# Altium PCB BEAGLEPLAYV020_220915.brd.PcbDoc (part 12 of 12) (continued)
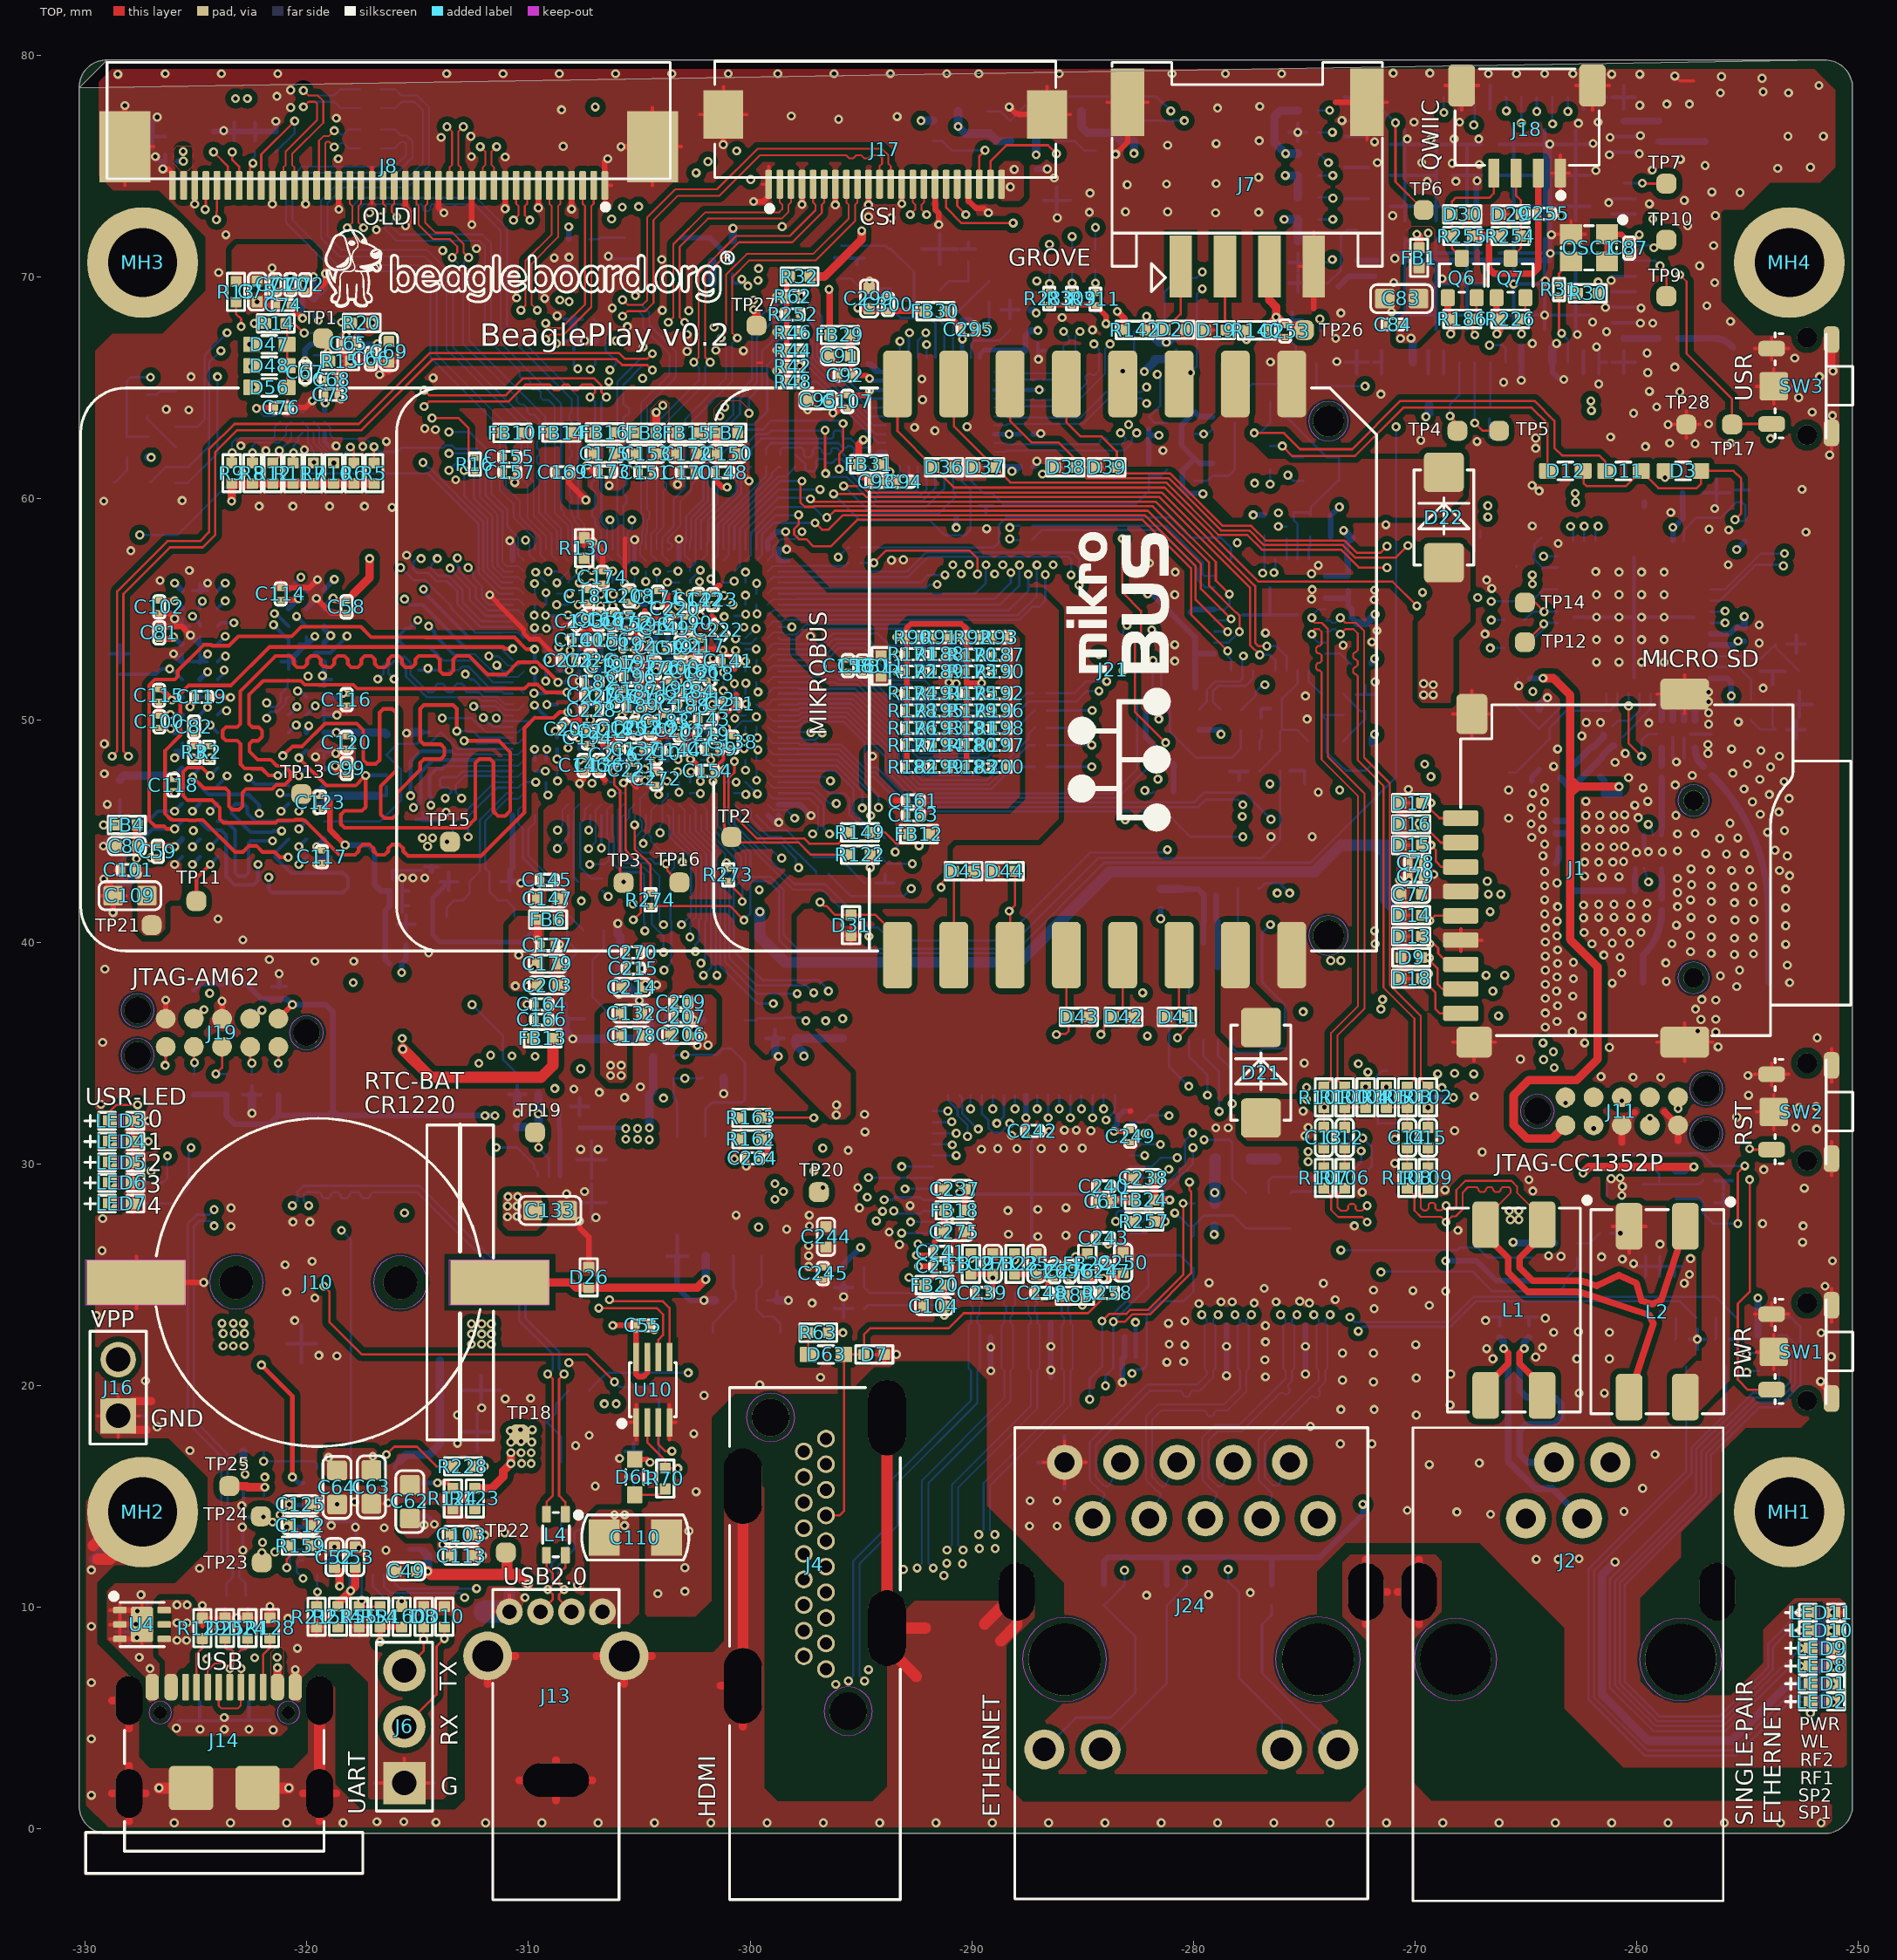
[diagram p0: TOP view]
## Keep-outs (continued)
  region: -257.556,75.489 -256.286,75.489 -256.286,76.759 -257.556,76.759
  region: -261.092,76.709 -260.088,76.709 -260.088,77.363 -261.092,77.363
  region: -261.092,66.909 -260.088,66.909 -260.088,67.563 -261.092,67.563
  region: -261.305,14 -261.344,14.302 -261.461,14.583 -261.646,14.824 -261.887,15.009 -262.168,15.125 -262.469,15.165 -262.77,15.125 -263.051,15.009 -263.292,14.824 -263.477,14.583 -263.593,14.302 -263.633,14 -263.593,13.699 -263.477,13.418 -263.292,13.177 -263.051,12.992 -262.77,12.876 -262.469,12.836 -262.168,12.876 -261.887,12.992 -261.646,13.177 -261.461,13.418 -261.344,13.699 -261.305,14
  region: -254.818,37.44 -253.294,37.44 -253.294,38.964 -254.818,38.964
  region: -256.311,66.193 -255.041,66.193 -255.041,67.463 -256.311,67.463
  region: -262.575,16.54 -262.614,16.842 -262.731,17.123 -262.916,17.364 -263.157,17.549 -263.438,17.665 -263.739,17.705 -264.04,17.665 -264.321,17.549 -264.562,17.364 -264.747,17.123 -264.863,16.842 -264.903,16.54 -264.863,16.239 -264.747,15.958 -264.562,15.717 -264.321,15.532 -264.04,15.416 -263.739,15.376 -263.438,15.416 -263.157,15.532 -262.916,15.717 -262.731,15.958 -262.614,16.239 -262.575,16.54
  region: -260.491,37.44 -258.967,37.44 -258.967,38.964 -260.491,38.964

## Other copper
LYR2_GND:
  region net GND: 194 vertices and 879 holes, not listed, extent -329.54,1.346 -250.546,79.375

## Silkscreen, mask and mechanical layers (free items; w line width, h text height)
Top Overlay:
  drawing of 68322 lines, arcs and shapes, not listed
  text "QWIIC" at -268.935,74.803 h0.76 r90
  text "OLDI" at -317.5,72.365 h0.76
  text "CSI" at -295.072,72.365 h0.76
  text "GROVE" at -288.341,70.51 h0.76
  text "BeaglePlay v0.2" at -312.191,66.878 h1.02
  text "USR" at -254.813,64.389 h0.76 r90
  text "MICRO SD" at -259.791,52.4 h0.76
  text "MIKROBUS" at -296.545,49.327 h0.76 r90
  text "JTAG-AM62" at -327.889,38.049 h0.76
  text "RTC-BAT" at -317.398,33.376 h0.76
  text "USR-LED" at -329.997,32.664 h0.76
  text "CR1220" at -317.398,32.283 h0.76
  text "0" at -327.152,31.648 h0.76
  text "RST" at -254.813,30.785 h0.76 r90
  text "1" at -327.152,30.632 h0.76
  text "2" at -327.177,29.667 h0.76
  text "JTAG-CC1352P" at -266.395,29.667 h0.76
  text "3" at -327.228,28.702 h0.76
  text "4" at -327.203,27.737 h0.76
  text "VPP" at -329.743,22.631 h0.76
  text "PWR" at -254.838,20.295 h0.76 r90
  text "GND" at -327.05,18.136 h0.76
  text "USB2.0" at -311.15,11.024 h0.76
  text "USB" at -325.018,7.188 h0.76
  text "TX" at -313.243,6.239 h0.76 r90
  text "PWR" at -252.679,4.445 h0.58
  text "RX" at -313.188,3.735 h0.76 r90
  text "WL" at -252.603,3.658 h0.58
  text "RF2" at -252.654,2.845 h0.58
  text "RF1" at -252.654,2.007 h0.58
  text "G" at -313.953,1.565 h0.76
  text "SP2" at -252.73,1.219 h0.58
  text "UART" at -317.373,0.66 h0.76 r90
  text "ETHERNET" at -288.747,0.533 h0.76 r90
  text "HDMI" at -301.574,0.508 h0.76 r90
  text "SP1" at -252.73,0.457 h0.58
  text "ETHERNET" at -253.517,0.203 h0.76 r90
  text "SINGLE-PAIR" at -254.762,0.152 h0.76 r90
Bottom Overlay:
  text "ANT2" at -253.632,78.588 h0.76
  text "ANT1" at -253.936,62.611 h0.76
  text "2.4G" at -252.908,33.96 h0.76
  text "SUBG" at -258.115,33.909 h0.76
Bottom Solder:
  lines w1.016: -260.231,40.462 -268.326,40.462 -268.326,61.747 -251.553,61.747 -251.553,40.462 -253.121,40.462 ; -257.245,40.462 -255.692,40.462
OUTLINE:
  drawing of 5302 lines, arcs and shapes, not listed
  text "1" at -364.265,361.972 h5.71
  text "2" at -259.265,361.972 h5.71
  text "3" at -154.265,361.972 h5.71
  text "4" at -49.265,361.972 h5.71
  text "5" at 55.735,361.972 h5.71
  text "6" at 160.735,361.972 h5.71
  text "7" at 265.735,361.972 h5.71
  text "8" at 370.735,361.972 h5.71
  text "REVISIONS" at 291.135,350.972 h5.71
  text "REV" at 219.643,343.242 h2.03
  text "ACTION" at 239.081,343.029 h2.03
  text "DATE" at 347.231,343.029 h2.03
  text "AUTH" at 387.231,343.029 h2.03
  text "LAYERS LAMINATION & IMPENDANCE  CONTROL" at -313.242,322.116 h5.71
  text "IMPEDANCE" at -155.466,313.437 h2.03
  text "SINGLE 50ohm+/-10%" at -165.651,308.631 h2.03
  text "DIFFERENCE 90ohm-/+10%" at -58.031,308.529 h2.03
  text "DIFFERENCE 100ohm-/+10%" at -5.2,308.529 h2.03
  text "SINGLE 40ohm+/-10%" at -215.13,308.504 h2.03
  text "DIFFERENCE 80ohm-/+10%" at -112.87,308.377 h2.03
  text "LAYERS STACKUP" at -360.877,308.173 h2.03
  text "LAYER" at -309.572,308.173 h2.03
  text "MATERIAL" at -293.007,308.173 h2.03
  text "THICKNESS" at -273.152,308.173 h2.03
  text "LAYER TYPE" at -249.655,308.173 h2.03
  text "Line width(mil)" at -162.145,303.631 h2.03
  text "Line width/Space(mil)" at -57.863,303.529 h2.03
  text "Line width/Space(mil)" at -2.863,303.529 h2.03
  text "Line width(mil)" at -211.625,303.504 h2.03
  text "Line width/Space(mil)" at -112.702,303.377 h2.03
  text "W:4" at -156.073,297.541 h2.03
  text "W:4.1/S:7" at -48.998,297.443 h2.03
  text "W:6.6" at -205.552,297.414 h2.03
  text "W:3.3/S:8" at 5.526,297.396 h2.03
  text "W:4.3/S:4" at -103.836,297.29 h2.03
  text "COPPER" at -289.968,296.173 h2.03
  text "ROUTING" at -246.988,296.173 h2.03
  text "1 OZ" at -270.159,296.072 h2.03
  text "TOP" at -351.282,295.173 h2.03
  text "TOP" at -309.282,295.173 h2.03
  text "W:12/S:8 ref:L3" at 5.537,294.234 h2.03
  text "D" at -414.265,291.972 h5.71
  text "D" at 415.735,291.972 h5.71
  text "FR4" at -287.301,288.173 h2.03
  text "PREPREG" at -314.129,287.437 h2.03
  text "3mil" at -271.92,287.293 h2.03
  text "PREPREG" at -355.862,287.173 h2.03
  text "COPPER" at -289.968,280.233 h2.03
  text "PLANE" at -245.21,280.173 h2.03
  text "1 OZ" at -270.159,279.741 h2.03
  text "L2 INNER" at -315.297,279.437 h2.03
  text "L2 INNER" at -357.007,279.173 h2.03
  text "FR4" at -287.301,272.233 h2.03
  text "PREPREG" at -314.129,271.437 h2.03
  text "3mil" at -271.92,271.293 h2.03
  text "PREPREG" at -355.862,271.173 h2.03
  text "ROUTING" at -247.574,264.82 h2.03
  text "W:3/S:7.3" at 1.68,264.664 h2.03
  text "W:4.3/S:4.4" at -109.423,264.592 h2.03
  text "0.5 OZ" at -270.159,264.374 h2.03
  text "W:3.6/S:5.7" at -54.712,264.363 h2.03
  text "COPPER" at -289.968,264.233 h2.03
  text "W:3.8" at -158.841,264.073 h2.03
  text "W:6" at -203.266,263.666 h2.03
  text "L3 INNER" at -315.297,263.437 h2.03
  text "L3 INNER" at -357.007,263.173 h2.03
  text "NOTE" at 214.135,258.089 h5.71
  text "FR4" at -287.301,256.233 h2.03
  text "PREPREG" at -314.129,255.437 h2.03
  text "17.72mil" at -270.752,255.293 h2.03
  text "PREPREG" at -355.862,255.172 h2.03
  text "PLANE" at -244.602,248.768 h2.03
  text "COPPER" at -289.968,248.233 h2.03
  text "1 OZ" at -270.159,248.016 h2.03
  text "L4 INNER" at -315.297,247.437 h2.03
  text "L4 INNER" at -357.007,247.172 h2.03
  text "1. ACCEPTABILITY:" at 214.066,245.029 h2.03
  text "FR4" at -287.301,240.05 h2.03
  text "PRINTED WIRING BOARD SHALL MEET THE REQUIREMENTS OF IPC- 6012C CLASS 2." at 223.384,240.028 h2.03
  text "4mil" at -270.667,239.629 h2.03
  text "PREPREG" at -314.129,239.437 h2.03
  text "PREPREG" at -355.862,239.172 h2.03
  text "1 OZ" at -270.159,232.116 h2.03
  text "COPPER" at -289.968,231.726 h2.03
  text "PLANE" at -244.932,231.546 h2.03
  text "L5 INNER" at -315.297,231.437 h2.03
  text "L5 INNER" at -357.007,231.173 h2.03
  text "2. MATERIAL:" at 214.066,230.028 h2.03
  text "GLASS EPOXY FR-4 FIRE RETARDANT AND UL 94V-0 RATING MATERIAL SHOULD MEET" at 223.384,225.029 h2.03
  text "FR4" at -287.301,224.353 h2.03
  text "17.72mil" at -270.159,224.285 h2.03
  text "PREPREG" at -314.129,223.437 h2.03
  text "PREPREG" at -355.862,223.173 h2.03
  text "IPC-4101C" at 223.384,220.029 h2.03
  text "ROUTING" at -246.101,216.484 h2.03
  text "0.5 OZ" at -270.583,216.293 h2.03
  text "W:3/S:7.3" at 3.962,216.002 h2.03
  text "W:3.8" at -158.826,215.976 h2.03
  text "W:4.3/S:4.4" at -111.277,215.9 h2.03
  text "COPPER" at -289.968,215.79 h2.03
  text "L6 INNER" at -315.297,215.437 h2.03
  text "W:6" at -201.524,215.29 h2.03
  text "W:3.6/S:5.7" at -56.794,215.24 h2.03
  text "L6 INNER" at -357.007,215.173 h2.03
  text "3. FABRICATION REQUIREMENTS:" at 214.066,210.029 h2.03
  text "FR4" at -287.301,207.941 h2.03
  text "3mil" at -270.159,207.938 h2.03
  text "PREPREG" at -314.129,207.437 h2.03
  text "PREPREG" at -355.862,207.173 h2.03
  text "A). FAB TO MEET THE REQUIREMENTS PER IPC-A-600, CLASS 2" at 223.384,205.029 h2.03
  text "COPPER" at -289.968,200.332 h2.03
  text "PLANE" at -245.21,200.093 h2.03
  text "B). ALL ARTWORK OR ELECTRONIC DATA MAY BE ADJUSTED BY THE BOARD" at 223.384,200.029 h2.03
  text "1 OZ" at -270.159,199.604 h2.03
  text "L7 INNER" at -315.297,199.437 h2.03
  text "L7 INNER" at -357.007,199.173 h2.03
  text "MANUFACTURER TO COMPENSATE FOR MANUFACTURING PROCESS TOLERANCES," at 232.384,195.029 h2.03
  text "FR4" at -287.301,191.769 h2.03
  text "PREPREG" at -314.129,191.437 h2.03
  text "3mil" at -270.752,191.293 h2.03
  text "PREPREG" at -355.862,191.173 h2.03
  text "ADDITION OF FILLETS TEARDROPS AT LINE / PAD INTERFACE IS PREFERRED." at 232.384,190.029 h2.03
  text "W:3.3/S:8" at 5.185,185.787 h2.03
  text "W:4" at -158.587,185.486 h2.03
  text "W:6.6" at -204.028,185.46 h2.03
  text "THIEVING IS ALLOWED TO COMPENSATE FOR HIGH COPPER DENSITY AREAS" at 232.384,185.029 h2.03
  text "W:4.3/S:4" at -99.557,184.86 h2.03
  text "W:4.1/S:7" at -50.001,184.683 h2.03
  text "COPPER" at -289.968,184.398 h2.03
  text "1 OZ" at -270.159,184.415 h2.03
  text "ROUTING" at -246.988,183.445 h2.03
  text "L8 BOTTOM" at -357.378,183.058 h2.03
  text "L8 BOTTOM" at -315.788,182.893 h2.03
  text "W:12 ref:L6" at -158.471,182.423 h2.03
  text "W:12/S:8 ref L6" at 5.232,182.347 h2.03
  text "C). FABRICATE ACCORDING TO THE FILES PART NO:" at 223.384,180.029 h2.03
  text "1001001000059_ MINI8600B_GERBER_Rev00 FILE FOR MANUFACTURING" at 232.384,175.029 h2.03
  text "D). SOLDER MASK COLOR  GREEN,SILKSCREEN COLOR  WHITE" at 223.384,170.029 h2.03
  text "E). FINISH ENIG/OSP/LF HASL" at 223.384,165.029 h2.03
  text "THE TOTAL THICKNESS:" at -305.781,160.154 h5.71
  text "1.6mm+/-10%" at -184.763,159.528 h5.71
  text "4. FABRICATION TOLERANCE:" at 214.066,155.029 h2.03
  text "A). WIRE WIDTH TOLERANCE INTERNAL CONTROL STANDARD +/-20%" at 223.384,150.029 h2.03
  text "B). PTH  DIAMETER TOLERANCE +/-0.076mm,NPTH DIAMETER TOLERANCE +/-0.05mm" at 223.384,145.029 h2.03
  text "C" at -414.265,141.972 h5.71
  text "C" at 415.735,141.972 h5.71
  text "C). ALL OUTER LAYER PADS REQUIRE +/-0.05mm TOLERANCE." at 223.384,140.029 h2.03
  text "D). LAYER REGISTRATION BETWEEN ADJACENT LAYER MAXIMUN 150um, THE INTERLAYER" at 223.384,135.029 h2.03
  text "DIELECTRIC THICKNESS TOLERANCE +/-15%" at 232.384,130.029 h2.03
  text "E). THICKNESS IS LESS THAN 1mm PCB TO A TOLERANCE OF +/-0.1mm,THICKNESS IS" at 223.384,125.029 h2.03
  text "GREATER THAN OR EQUAL TO 1mm PCB TO A TOLERANCE OF +/-10%" at 232.384,120.029 h2.03
  text "5. SOLDER MASK:" at 214.066,110.029 h2.03
  text "A). MATERIALS IN ACCORDANCE WITH IPC-SM-840E CLASS T STANDARDS AND ROHS" at 223.384,105.028 h2.03
  text "REQUIREMENTS" at 232.384,100.029 h2.03
  text "B). SOLDER MASK BOTH PRIMARY AND SECONDARY SIDES, THE ADHESION OF SOLDER" at 223.384,95.029 h2.03
  text "MASK MEET THE REQUIREMENTS OF IPC-A-600F LEVEL 2" at 232.384,90.029 h2.03
  text "C). SOLDER MASK COVERAGE ON THE MIDDLE OF THE COPPER WIRE MINIMUM 10um,EDGE" at 223.384,85.029 h2.03
  text "COVERAGE OF THE COPPER WIRE MINIMUM 4um, SOLDER MASK MISREGISTRATION" at 232.384,80.029 h2.03
  text "MAXIM 2.5mil" at 232.384,75.029 h2.03
  text "D). ALL HOLES WITH SOLDER MASK COVERED IN THE GERBER SHOULD BE PULGED" at 223.384,70.029 h2.03
  text "ALL VIAS IN PADS WITH HOLE DIAMETER LESS THAN 0.4mm SHOULD BE FILLED WITH" at 233.134,65.293 h2.03
  text "NON-CONDUCTIVE MATERIAL" at 232.554,60.293 h2.03
  text "E). SOLDER MASK BRIDGE BETWEEN PADS SHOULD BE MINIMUM 0.10mm" at 223.323,54.293 h2.03
  text "6. FINISH:" at 213.066,42.029 h2.03
  text "A). ENIG, GOLD THICKNESS IS 0.05 um ~0.23um,NICKEL THICKNESS IS 3 um ~6 um." at 222.384,37.029 h2.03
  text "B). OSP, THE OSP COATING THICKNESS IS 0.2 um ~0.5um." at 222.384,32.029 h2.03
  text "C). LF HASL, Sn THICKNESS IS 1 um ~40um ." at 222.384,27.029 h2.03
  text "7. SILKSCREEN:" at 213.066,15.029 h2.03
  text "A). PRIMARY AND SECONDARY SIDES USING A GLOSSY , NON-CONDUCTIVE, RoHS COMPLIANT," at 222.384,10.029 h2.03
  text "EPOXY BASED INK" at 231.384,5.029 h2.03
  text "B). NO SILKSCREEN ALLOWED ON PADS OR IN HOLES" at 222.384,0.029 h2.03
  text "C). MANUFACTUREERS CAN ADD SYMBOL IN SILKSCREEN LAYER OR SOLDER MASK LAYER," at 222.384,-4.971 h2.03
  text "B" at -414.265,-8.028 h5.71
  text "B" at 415.735,-8.028 h5.71
  text "ALLOW TO INCREASE SYMBOL :ASSEMBLY REF , DATE CODE, LEAD-FREE SYMBOL, UL FILE" at 231.384,-9.972 h2.03
  text "NUMBER,UL TYPE, UL SYMBOL AND FIRE RATING,NO LIST DOES NOT ALLOW TO INCREASE." at 231.384,-14.971 h2.03
  text "8. BOW AND TWIST:" at 214.066,-24.972 h2.03
  text "MAX BOW & TWIST OF PCB SHALL NOT EXCEED 0.75% OF MAXIMUN DIMENSION," at 223.384,-29.971 h2.03
  text "MEASUREMENT METHOD IN 2.4.22 OF IPC-TM-650 IS FOR REFERENCE" at 223.384,-34.971 h2.03
  text "9. MEASUREMENTS:" at 214.066,-44.971 h2.03
  text "INTERPRET ALL DIMENSIONS AND TOLERANCES PER IPC-D-300G, CLASS B AND ALL" at 223.384,-49.971 h2.03
  text "DIMENSIONS ARE METRIC, DIMENSIONS ARE AFTER ETCHING AND PLATING." at 223.384,-54.971 h2.03
  text "10.ENVIRONMENTAL:" at 214.066,-64.971 h2.03
  text "THE  PCB SUPPLIER SHALL PROVIDE A SIGNED CERTIFICATE OF COMPLIANCE BY" at 223.384,-69.971 h2.03
  text "AUTHORIZED QA  REPRESENTATIVE. THE BASE MATERIAL OF PCB SHALL NOT CONTAIN THE" at 223.384,-74.971 h2.03
  text "BANNED SUBSTANCES LISTED IN THE CERTIFICATE OF COMPLIANCE." at 223.384,-79.971 h2.03
  text "A" at -414.265,-158.028 h5.71
  text "A" at 415.735,-158.028 h5.71
  text "Seeed Technology co.,Ltd." at 230.735,-173.028 h5.71
  text "TITLE:" at 255.656,-186.971 h2.03
  text "PART NUMBER:" at 256.206,-196.971 h2.03
  text "ELEC ENGR:" at 340.781,-196.971 h2.03
  text "ADD:" at 256.231,-206.971 h2.03
  text "REV:" at 340.806,-206.971 h2.03
  text "www.seeedstudio.com" at 256.255,-214.231 h2.03
  text "DATE:" at 341.135,-216.911 h2.03
  text "1" at -364.265,-228.028 h5.71
  text "2" at -259.265,-228.028 h5.71
  text "3" at -154.265,-228.028 h5.71
  text "4" at -49.265,-228.028 h5.71
  text "5" at 55.735,-228.028 h5.71
  text "6" at 160.735,-228.028 h5.71
  text "7" at 265.735,-228.028 h5.71
  text "8" at 370.735,-228.028 h5.71
DIMENSION:
  lines w0.025: -340.197,3.797 -338.948,3.797 ; -340.197,3.797 -339.573,-0.203 ; -340.197,3.797 -338.948,3.797 ; -340.197,3.797 -339.573,-0.203 ; -340.197,75.799 -338.948,75.799 ; -340.197,75.799 -339.573,79.799 ; -340.197,75.799 -338.948,75.799 ; -340.197,75.799 -339.573,79.799 ; -339.573,-0.203 -338.948,3.797 ; -339.573,-0.203 -338.948,3.797 ; -339.573,-0.203 -339.573,31.921 -339.573,-0.203 ; -339.573,79.799 -338.948,75.799 ; -339.573,79.799 -338.948,75.799 ; -339.573,79.799 -339.573,39.859 -339.573,79.799 ; -330.276,83.134 -326.276,82.509 ; -330.276,83.134 -326.276,83.759 ; -330.276,83.134 -326.276,82.509 ; -330.276,83.134 -326.276,83.759 ; -330.276,83.134 -296.475,83.134 -330.276,83.134 ; -326.276,82.509 -326.276,83.759 ; -326.276,82.509 -326.276,83.759 ; -254.274,82.509 -254.274,83.759 ; -254.274,82.509 -250.274,83.134 ; -254.274,82.509 -254.274,83.759 ; -254.274,82.509 -250.274,83.134 ; -254.274,83.759 -250.274,83.134 ; -254.274,83.759 -250.274,83.134 ; -250.274,83.134 -279.902,83.134 -250.274,83.134 ; -342.073,-0.203 -331.506,-0.203 -342.073,-0.203 ; -342.073,79.799 -331.506,79.799 -342.073,79.799 ; -330.276,81.029 -330.276,85.634 -330.276,81.029 ; -250.274,81.029 -250.274,85.634 -250.274,81.029
  text "80MM" at -294.094,81.547 h3.17
  text "80MM" at -294.094,81.547 h3.17
  text "80MM" at -345.478,34.303 h3.17
  text "80MM" at -345.478,34.303 h3.17
PROBE_TOP:
  text "DDR_UDQS_P-1" at -314.85,57.304 h0.76
  text "DDR_UDQS_N-1" at -314.112,57.304 h0.76
  text "DDR_DQ8" at -320.264,56.464 h0.76
  text "GND-16" at -319.521,56.351 h0.76
  text "GND-9" at -324.478,56.195 h0.76
  text "DDR_UDQS_N-2" at -323.678,56.195 h0.76
  text "GND-15" at -319.565,55.507 h0.76
  text "DDR_UDQS_P-2" at -323.678,55.395 h0.76
  text "DDR_DQ9" at -324.712,55.383 h0.76
  text "DDR_DQ13" at -325.152,54.703 h0.76
  text "DDR_DQ12" at -320.462,54.696 h0.76
  text "DDR_DQ11" at -323.291,54.407 h0.76
  text "DDR_DQ14" at -321.5,54.315 h0.76
  text "DDR_DQ15" at -323.678,53.794 h0.76
  text "GND-13" at -319.634,53.794 h0.76
  text "DDR_UDM" at -318.186,53.807 h0.76
  text "GND-8" at -324.478,52.994 h0.76
  text "DDR_LDM" at -323.672,52.898 h0.76
  text "DDR_DQ1" at -323.725,52.27 h0.76
  text "GND-14" at -319.297,52.02 h0.76
  text "DDR_DQ0" at -320.415,51.328 h0.76
  text "DDR_LDQS_N" at -321.811,50.794 h0.76
  text "DDR_DQ4" at -319.616,50.655 h0.76
  text "DDR_DQ2" at -320.448,50.624 h0.76
  text "DDR_DQ3" at -323.621,50.444 h0.76
  text "DDR_LDQS_P" at -321.809,50.097 h0.76
  text "DDR_DQ7" at -324.361,49.794 h0.76
  text "DDR_DQ6" at -320.477,49.794 h0.76
  text "DDR_ODT" at -321.081,48.412 h0.76
  text "GND-12" at -319.608,48.362 h0.76
  text "GND-10" at -325.961,48.311 h0.76
  text "DDR_CKE" at -320.36,48.311 h0.76
  text "DDR_CSN" at -324.361,47.511 h0.76
  text "DDR_ACTN" at -321.31,47.523 h0.76
  text "DDR_A12" at -323.596,47.498 h0.76
  text "DDR_A16_RAS" at -325.145,47.447 h0.76
  text "DDR_A10" at -322.631,47.422 h0.76
  text "DDR_BA1" at -325.161,45.911 h0.76
  text "DDR_A3" at -324.361,45.911 h0.76
  text "DDR_A4" at -321.16,45.911 h0.76
  text "DDR_A15_CAS" at -322.148,45.809 h0.76
  text "DDR_A6" at -320.36,45.111 h0.76
  text "GND-11" at -325.12,45.034 h0.76
  text "DDR_A7" at -325.161,44.311 h0.76
  text "DDR_A9" at -324.361,44.311 h0.76
  text "DDR_A8" at -320.36,44.311 h0.76
  text "DDR_A13" at -325.161,43.51 h0.76
  text "DDR_A5" at -322.199,43.51 h0.76
  text "DDR_A11" at -320.36,43.51 h0.76
NCLEGEND-1-8:
  circle w0.025: c-219.824,-38.989 r0.45
  lines w0.025: -231.242,-73.914 -21.793,-73.914 ; -231.242,-67.564 -21.793,-67.564 ; -231.242,-61.214 -21.793,-61.214 ; -231.242,-54.864 -21.793,-54.864 ; -231.242,-48.514 -21.793,-48.514 ; -231.242,-42.164 -21.793,-42.164 ; -231.242,-35.814 -21.793,-35.814 ; -231.242,-29.464 -21.793,-29.464 ; -231.242,-23.114 -21.793,-23.114 ; -231.242,-16.764 -21.793,-16.764 ; -231.242,-10.414 -21.793,-10.414 ; -231.242,-4.064 -21.793,-4.064 ; -231.242,2.286 -21.793,2.286 ; -231.242,8.636 -21.793,8.636 ; -231.242,14.986 -21.793,14.986 ; -231.242,21.336 -21.793,21.336 ; -231.242,27.686 -21.793,27.686 ; -231.242,34.036 -21.793,34.036 ; -231.242,40.386 -21.793,40.386 ; -219.926,18.161 -219.723,18.161 ; -219.824,18.059 -219.824,18.263 ; -208.407,-80.264 -208.407,34.036 ; -157.226,-80.264 -157.226,34.036 ; -124.943,-80.264 -124.943,34.036 ; -73.762,-80.264 -73.762,34.036 ; -41.478,-80.264 -41.478,34.036 ; -231.242,-80.264 -231.242,46.736 -21.793,46.736 -21.793,-80.264 -231.242,-80.264 ; -222.168,-26.68 ccw(c-219.824,-26.68) -217.481,-26.68 -217.481,-25.898 ccw(c-219.824,-25.898) -222.168,-25.898 -222.168,-26.68 ; -220.798,-0.889 -220.513,-1.578 -219.824,-1.863 -219.136,-1.578 -218.85,-0.889 -219.136,-0.2 -219.824,0.085 -220.513,-0.2 -220.798,-0.889 ; -220.349,-14.114 -219.824,-13.064 -219.299,-14.114 -220.349,-14.114 ; -220.274,-7.239 -219.824,-6.789 -219.374,-7.239 -219.824,-7.689 -220.274,-7.239 ; -220.149,5.299 -219.824,5.136 -219.499,5.299 -219.499,5.623 -219.824,5.786 -220.149,5.623 -220.149,5.299 ; -220.124,-32.864 -220.124,-32.414 -219.524,-32.414 -219.524,-32.864 -220.124,-32.864 ; -220.099,11.811 -219.962,11.536 -219.687,11.536 -219.549,11.811 -219.687,12.086 -219.962,12.086 -220.099,11.811 ; -219.962,-20.764 ccw(c-219.962,-19.939) -219.962,-19.114 -219.687,-19.114 ccw(c-219.687,-19.939) -219.687,-20.764 -219.962,-20.764 ; -219.926,24.409 -219.723,24.409 -219.723,24.613 -219.926,24.613 -219.926,24.409
  text "DRILL CHART: TOP to BOTTOM" at -159.537,41.974 h3.17
  text "ALL UNITS ARE IN MILS" at -153.187,35.623 h3.17
  text "FIGURE" at -227.444,29.273 h3.17
  text "FINISHED_SIZE" at -199.326,29.273 h3.17
  text "ROTATION" at -151.244,29.273 h3.17
  text "TOLERANCE_DRILL" at -118.402,29.273 h3.17
  text "PLATED" at -65.24,29.273 h3.17
  text "QTY" at -35.446,29.273 h3.17
  text "8.0" at -186.626,22.924 h3.17
  text "-" at -142.354,22.924 h3.17
  text "+0.0/-0.0" at -110.782,22.924 h3.17
  text "PLATED" at -65.24,22.924 h3.17
  text "2009" at -36.716,22.924 h3.17
  text "8.0" at -186.626,16.573 h3.17
  text "-" at -142.354,16.573 h3.17
  text "+3.0/-3.0" at -110.782,16.573 h3.17
  text "PLATED" at -65.24,16.573 h3.17
  text "47" at -34.176,16.573 h3.17
  text "21.65" at -189.166,10.223 h3.17
  text "-" at -142.354,10.223 h3.17
  text "+0.0/-0.0" at -110.782,10.223 h3.17
  text "PLATED" at -65.24,10.223 h3.17
  text "19" at -34.176,10.223 h3.17
  text "25.59" at -189.166,3.873 h3.17
  text "-" at -142.354,3.873 h3.17
  text "+0.0/-0.0" at -110.782,3.873 h3.17
  text "PLATED" at -65.24,3.873 h3.17
  text "4" at -32.906,3.873 h3.17
  text "35.43" at -189.166,-2.476 h3.17
  text "-" at -142.354,-2.476 h3.17
  text "+0.0/-0.0" at -110.782,-2.476 h3.17
  text "PLATED" at -65.24,-2.476 h3.17
  text "10" at -34.176,-2.476 h3.17
  text "35.43" at -189.166,-8.826 h3.17
  text "-" at -142.354,-8.826 h3.17
  text "+0.0/-0.0" at -110.782,-8.826 h3.17
  text "PLATED" at -65.24,-8.826 h3.17
  text "4" at -32.906,-8.826 h3.17
  text "41.34" at -189.166,-15.176 h3.17
  text "-" at -142.354,-15.176 h3.17
  text "+0.0/-0.0" at -110.782,-15.176 h3.17
  text "PLATED" at -65.24,-15.176 h3.17
  text "4" at -32.906,-15.176 h3.17
  text "43.31" at -189.166,-21.526 h3.17
  text "-" at -142.354,-21.526 h3.17
  text "+0.0/-0.0" at -110.782,-21.526 h3.17
  text "PLATED" at -65.24,-21.526 h3.17
  text "5" at -32.906,-21.526 h3.17
  text "123.03" at -190.436,-27.877 h3.17
  text "-" at -142.354,-27.877 h3.17
  text "+0.0/-0.0" at -110.782,-27.877 h3.17
  text "PLATED" at -65.24,-27.877 h3.17
  text "4" at -32.906,-27.877 h3.17
  text "23.62" at -189.166,-34.227 h3.17
  text "-" at -142.354,-34.227 h3.17
  text "+0.0/-0.0" at -110.782,-34.227 h3.17
  text "NON-PLATED" at -70.32,-34.227 h3.17
  text "2" at -32.906,-34.227 h3.17
  text "35.43" at -189.166,-40.576 h3.17
  text "-" at -142.354,-40.576 h3.17
  text "+0.0/-0.0" at -110.782,-40.576 h3.17
  text "NON-PLATED" at -70.32,-40.576 h3.17
  text "8" at -32.906,-40.576 h3.17
  text "47.24" at -189.166,-46.926 h3.17
  text "-" at -142.354,-46.926 h3.17
  text "+0.0/-0.0" at -110.782,-46.926 h3.17
  text "NON-PLATED" at -70.32,-46.926 h3.17
  text "6" at -32.906,-46.926 h3.17
  text "55.12" at -189.166,-53.276 h3.17
  text "-" at -142.354,-53.276 h3.17
  text "+0.0/-0.0" at -110.782,-53.276 h3.17
  text "NON-PLATED" at -70.32,-53.276 h3.17
  text "2" at -32.906,-53.276 h3.17
  text "60.0" at -187.897,-59.627 h3.17
  text "-" at -142.354,-59.627 h3.17
  text "+0.0/-0.0" at -110.782,-59.627 h3.17
  text "NON-PLATED" at -70.32,-59.627 h3.17
  text "2" at -32.906,-59.627 h3.17
  text "66.93" at -189.166,-65.977 h3.17
  text "-" at -142.354,-65.977 h3.17
  text "+0.0/-0.0" at -110.782,-65.977 h3.17
  text "NON-PLATED" at -70.32,-65.977 h3.17
  text "2" at -32.906,-65.977 h3.17
  text "125.98" at -190.436,-72.326 h3.17
  text "-" at -142.354,-72.326 h3.17
  text "+0.0/-0.0" at -110.782,-72.326 h3.17
  text "NON-PLATED" at -70.32,-72.326 h3.17
  text "2" at -32.906,-72.326 h3.17
  text "127.95" at -190.436,-78.676 h3.17
  text "-" at -142.354,-78.676 h3.17
  text "+0.0/-0.0" at -110.782,-78.676 h3.17
  text "NON-PLATED" at -70.32,-78.676 h3.17
  text "2" at -32.906,-78.676 h3.17
  text "TOTAL HOLES:" at -75.133,-85.026 h3.17
  text "2132" at -36.716,-85.026 h3.17
NCLEGEND-SLOTS-1-8:
  lines w0.025: -230.048,76.53 -20.599,76.53 ; -230.048,82.88 -20.599,82.88 ; -230.048,89.23 -20.599,89.23 ; -230.048,95.58 -20.599,95.58 ; -230.048,101.93 -20.599,101.93 ; -230.048,108.28 -20.599,108.28 ; -230.048,114.63 -20.599,114.63 ; -230.048,120.98 -20.599,120.98 ; -207.213,70.18 -207.213,114.63 ; -156.032,70.18 -156.032,114.63 ; -123.749,70.18 -123.749,114.63 ; -72.568,70.18 -72.568,114.63 ; -40.284,70.18 -40.284,114.63 ; -230.048,70.18 -230.048,127.33 -20.599,127.33 -20.599,70.18 -230.048,70.18 ; -219.531,72.455 ccw(c-219.531,73.355) -219.531,74.255 -217.73,74.255 ccw(c-217.73,73.355) -217.73,72.455 -219.531,72.455 ; -219.247,78.805 ccw(c-219.247,79.705) -219.247,80.605 -218.014,80.605 ccw(c-218.014,79.705) -218.014,78.805 -219.247,78.805 ; -219.08,91.605 ccw(c-219.08,92.405) -219.08,93.205 -218.181,93.205 ccw(c-218.181,92.405) -218.181,91.605 -219.08,91.605 ; -219.03,104.605 ccw(c-219.03,105.105) -219.03,105.605 -218.231,105.605 ccw(c-218.231,105.105) -218.231,104.605 -219.03,104.605 ; -219.015,97.955 ccw(c-219.015,98.755) -219.015,99.555 -218.246,99.555 ccw(c-218.246,98.755) -218.246,97.955 -219.015,97.955 ; -218.88,84.655 ccw(c-218.88,86.055) -218.88,87.455 -218.381,87.455 ccw(c-218.381,86.055) -218.381,84.655 -218.88,84.655
  text "SLOT HOLES: TOP to BOTTOM" at -157.074,122.568 h3.17
  text "ALL UNITS ARE IN MILS" at -151.994,116.218 h3.17
  text "FIGURE" at -226.25,109.868 h3.17
  text "FINISHED_SIZE" at -198.133,109.868 h3.17
  text "ROTATION" at -150.05,109.868 h3.17
  text "TOLERANCE_DRILL" at -117.208,109.868 h3.17
  text "PLATED" at -64.046,109.868 h3.17
  text "QTY" at -34.252,109.868 h3.17
  text "51.18x19.69" at -195.593,103.518 h3.17
  text "90.000" at -147.511,103.518 h3.17
  text "+0.0/-0.0" at -109.588,103.518 h3.17
  text "PLATED" at -64.046,103.518 h3.17
  text "4" at -31.712,103.518 h3.17
  text "61.81x31.5" at -194.323,97.168 h3.17
  text "90.000" at -147.511,97.168 h3.17
  text "+0.0/-0.0" at -109.588,97.168 h3.17
  text "PLATED" at -64.046,97.168 h3.17
  text "2" at -31.712,97.168 h3.17
  text "66.93x31.5" at -194.323,90.818 h3.17
  text "90.000" at -147.511,90.818 h3.17
  text "+0.0/-0.0" at -109.588,90.818 h3.17
  text "PLATED" at -64.046,90.818 h3.17
  text "2" at -31.712,90.818 h3.17
  text "74.8x55.12" at -194.323,84.468 h3.17
  text "90.000" at -147.511,84.468 h3.17
  text "+0.0/-0.0" at -109.588,84.468 h3.17
  text "PLATED" at -64.046,84.468 h3.17
  text "2" at -31.712,84.468 h3.17
  text "84.0x35.43" at -194.323,78.118 h3.17
  text "0.000" at -146.24,78.118 h3.17
  text "+0.0/-0.0" at -109.588,78.118 h3.17
  text "PLATED" at -64.046,78.118 h3.17
  text "1" at -31.712,78.118 h3.17
  text "106.3x35.43" at -195.593,71.768 h3.17
  text "90.000" at -147.511,71.768 h3.17
  text "+0.0/-0.0" at -109.588,71.768 h3.17
  text "PLATED" at -64.046,71.768 h3.17
  text "4" at -31.712,71.768 h3.17
  text "TOTAL HOLES:" at -73.939,65.418 h3.17
  text "15" at -32.982,65.418 h3.17
DXF_0119:
  drawing of 1294 lines, arcs and shapes, not listed
DRILLHOLE:
  drawing of 91 lines, arcs and shapes, not listed
DRAWING_ORIGIN:
  lines w0.025: -0.635,-234.442 0.635,-234.442 ; 0,-235.077 0,-233.807
REVISION_BLOCK:
  lines w0.3: 233.135,174.089 262.135,174.089 ; 249.135,164.089 286.135,164.089 ; 267.135,174.089 287.135,174.089 ; 277.135,169.089 288.135,169.089 ; 307.735,169.089 318.735,169.089 ; 314.135,174.089 318.135,174.089
Mechanical 255:
  lines w0.025: -323.266,61.918 -315.062,61.918 -315.062,69.639 -315.214,69.792 -322.91,69.792 -323.266,69.436 -323.266,61.918 ; -314.071,44.196 -313.936,44.061 -312.623,44.061 -297.104,44.061 -297.104,59.251 -312.623,59.251 -313.977,59.251 -314.071,59.157 -314.071,44.196

## Text inside footprints (layer, text, board x,y; h text height)
B1: PIN_NUMBER "6" at -259.131,50.011 h0.64 r180; PIN_NUMBER "8" at -258.131,50.011 h0.64 r180; PIN_NUMBER "9" at -257.631,50.011 h0.64 r180; PIN_NUMBER "1" at -257.631,48.761 h0.64; PIN_NUMBER "4" at -259.131,48.761 h0.64; PIN_NUMBER "7" at -258.631,50.011 h0.64 r180; PIN_NUMBER "5" at -259.381,49.386 h0.64 r270; PIN_NUMBER "3" at -258.631,48.761 h0.64; PIN_NUMBER "10" at -257.635,49.386 h0.64 r90; PIN_NUMBER "2" at -258.131,48.761 h0.64; ASSEMBLY_TOP "0900PC15A0036E" at -258,49.132 h0.64 r90
C1: PIN_NUMBER "2" at -273.485,51.184 h0.64 r90; PIN_NUMBER "1" at -273.485,50.259 h0.64 r90; ASSEMBLY_TOP "22pF" at -273.485,50.848 h0.64 r90
C2: PIN_NUMBER "1" at -276.272,50.524 h0.64 r180; PIN_NUMBER "2" at -277.198,50.524 h0.64 r180; ASSEMBLY_TOP "22pF" at -276.608,50.27 h0.64 r180
C3: PIN_NUMBER "1" at -273.274,55.186 h0.64; PIN_NUMBER "2" at -272.715,55.186 h0.64; ASSEMBLY_TOP "10nF" at -272.994,55.44 h0.64
C4: PIN_NUMBER "1" at -273.274,55.858 h0.64; PIN_NUMBER "2" at -272.715,55.858 h0.64; ASSEMBLY_TOP "100nF" at -272.994,56.112 h0.64
C5: PIN_NUMBER "1" at -272.881,54.394 h0.64 r270; PIN_NUMBER "2" at -272.881,53.469 h0.64 r270; ASSEMBLY_TOP "1uF" at -272.373,53.804 h0.64 r270
C6: PIN_NUMBER "1" at -280.187,52.324 h0.64 r180; PIN_NUMBER "2" at -280.746,52.324 h0.64 r180; ASSEMBLY_TOP "10nF" at -279.959,52.07 h0.64 r180
C7: PIN_NUMBER "1" at -280.187,53.01 h0.64 r180; PIN_NUMBER "2" at -280.746,53.01 h0.64 r180; ASSEMBLY_TOP "100nF" at -279.959,52.756 h0.64 r180
C8: PIN_NUMBER "1" at -280.157,51.486 h0.64 r180; PIN_NUMBER "2" at -281.082,51.486 h0.64 r180; ASSEMBLY_TOP "1uF" at -280.492,51.232 h0.64 r180
C9: PIN_NUMBER "1" at -273.274,57.167 h0.64; PIN_NUMBER "2" at -272.715,57.167 h0.64; ASSEMBLY_TOP "10nF" at -272.994,57.421 h0.64
C10: PIN_NUMBER "1" at -273.274,56.514 h0.64; PIN_NUMBER "2" at -272.715,56.514 h0.64; ASSEMBLY_TOP "100nF" at -272.994,56.768 h0.64
C11: PIN_NUMBER "1" at -273.118,58.211 h0.64 r90; PIN_NUMBER "2" at -273.118,59.137 h0.64 r90; ASSEMBLY_TOP "1uF" at -273.118,58.801 h0.64 r90
C12: PIN_NUMBER "1" at -273.435,31.648 h0.64 r270; PIN_NUMBER "2" at -273.435,30.723 h0.64 r270; ASSEMBLY_TOP "220nF" at -273.435,31.058 h0.64 r270
C13: PIN_NUMBER "1" at -274.374,31.648 h0.64 r270; PIN_NUMBER "2" at -274.374,30.723 h0.64 r270; ASSEMBLY_TOP "220nF" at -274.374,31.058 h0.64 r270
C14: PIN_NUMBER "1" at -270.615,31.648 h0.64 r270; PIN_NUMBER "2" at -270.615,30.723 h0.64 r270; ASSEMBLY_TOP "4.7nF" at -270.615,31.058 h0.64 r270
C15: PIN_NUMBER "1" at -269.675,31.648 h0.64 r270; PIN_NUMBER "2" at -269.675,30.723 h0.64 r270; ASSEMBLY_TOP "4.7nF" at -269.675,31.058 h0.64 r270
C16: PIN_NUMBER "2" at -266.438,23.097 h0.64 r90; PIN_NUMBER "1" at -266.438,22.172 h0.64 r90; ASSEMBLY_TOP "100pF" at -266.438,22.762 h0.64 r90
C17: PIN_NUMBER "2" at -265.125,23.097 h0.64 r90; PIN_NUMBER "1" at -265.125,22.172 h0.64 r90; ASSEMBLY_TOP "100pF" at -265.125,22.762 h0.64 r90
C18: PIN_NUMBER "1" at -260.061,47.982 h0.64 r270; PIN_NUMBER "2" at -260.061,47.423 h0.64 r270; ASSEMBLY_TOP "100pF" at -259.553,47.956 h0.64 r270
C19: PIN_NUMBER "1" at -259.131,47.974 h0.64 r270; PIN_NUMBER "2" at -259.131,47.415 h0.64 r270; ASSEMBLY_TOP "100pF" at -258.623,47.948 h0.64 r270
C20: PIN_NUMBER "1" at -255.499,59.837 h0.64 r90; PIN_NUMBER "2" at -255.499,60.396 h0.64 r90; ASSEMBLY_TOP "100nF" at -255.499,59.863 h0.64 r90
C21: PIN_NUMBER "2" at -259.131,41.427 h0.64 r270; PIN_NUMBER "1" at -259.131,41.986 h0.64 r270; ASSEMBLY_TOP "100pF" at -258.623,41.961 h0.64 r270
C22: PIN_NUMBER "1" at -261.05,46.671 h0.64 r270; PIN_NUMBER "2" at -261.05,46.113 h0.64 r270; ASSEMBLY_TOP "100pF" at -260.542,46.646 h0.64 r270
C23: PIN_NUMBER "1" at -261.735,46.667 h0.64 r270; PIN_NUMBER "2" at -261.735,46.108 h0.64 r270; ASSEMBLY_TOP "10nF" at -261.227,46.641 h0.64 r270
C24: PIN_NUMBER "2" at -265.158,59.936 h0.64 r180; PIN_NUMBER "1" at -263.634,59.936 h0.64 r180; ASSEMBLY_TOP "22uF" at -264.142,59.682 h0.64 r180
C25: PIN_NUMBER "1" at -260.339,42.316 h0.64 r180; PIN_NUMBER "2" at -260.898,42.316 h0.64 r180; ASSEMBLY_TOP "100pF" at -260.11,42.062 h0.64 r180
C26: PIN_NUMBER "2" at -263.222,46.931 h0.64 r225; PIN_NUMBER "1" at -262.827,47.326 h0.64 r225; ASSEMBLY_TOP "2.4pF" at -262.412,47.128 h0.64 r225
C27: PIN_NUMBER "2" at -263.222,44.907 h0.64 r270; PIN_NUMBER "1" at -263.222,45.466 h0.64 r270; ASSEMBLY_TOP "0.8pF" at -262.714,45.441 h0.64 r270
C28: PIN_NUMBER "2" at -263.781,44.221 h0.64 r180; PIN_NUMBER "1" at -263.222,44.221 h0.64 r180; ASSEMBLY_TOP "3pF" at -262.994,43.967 h0.64 r180
C29: PIN_NUMBER "1" at -263.222,42.316 h0.64 r180; PIN_NUMBER "2" at -263.781,42.316 h0.64 r180; ASSEMBLY_TOP "4.7pF" at -262.994,42.062 h0.64 r180
C30: PIN_NUMBER "1" at -262.774,48.328 h0.64 r135; PIN_NUMBER "2" at -263.169,48.724 h0.64 r135; ASSEMBLY_TOP "2.4pF" at -262.718,48.167 h0.64 r135
C31: PIN_NUMBER "1" at -263.222,46.127 h0.64 r180; PIN_NUMBER "2" at -263.781,46.127 h0.64 r180; ASSEMBLY_TOP "3.9pF" at -262.994,45.873 h0.64 r180
C32: PIN_NUMBER "1" at -264.568,58.235 h0.64 r180; PIN_NUMBER "2" at -265.493,58.235 h0.64 r180; ASSEMBLY_TOP "1uF" at -264.903,57.981 h0.64 r180
C33: PIN_NUMBER "1" at -264.659,48.712 h0.64 r270; PIN_NUMBER "2" at -264.659,47.787 h0.64 r270; ASSEMBLY_TOP "12pF" at -264.151,48.122 h0.64 r270
C34: PIN_NUMBER "1" at -264.667,49.623 h0.64 r90; PIN_NUMBER "2" at -264.667,50.548 h0.64 r90; ASSEMBLY_TOP "12pF" at -264.667,50.212 h0.64 r90
C35: PIN_NUMBER "1" at -253.996,49.59 h0.64; PIN_NUMBER "2" at -253.071,49.59 h0.64; ASSEMBLY_TOP "6.2pF" at -253.152,49.844 h0.64
C36: PIN_NUMBER "1" at -253.996,53.451 h0.64; PIN_NUMBER "2" at -253.071,53.451 h0.64; ASSEMBLY_TOP "6.2pF" at -253.152,53.705 h0.64
C37: PIN_NUMBER "1" at -265.692,56.965 h0.64 r180; PIN_NUMBER "2" at -267.216,56.965 h0.64 r180; ASSEMBLY_TOP "22uF" at -266.2,56.711 h0.64 r180
C38: PIN_NUMBER "1" at -265.513,55.894 h0.64 r180; PIN_NUMBER "2" at -266.072,55.894 h0.64 r180; ASSEMBLY_TOP "100nF" at -265.284,55.64 h0.64 r180
C39: PIN_NUMBER "1" at -265.077,51.906 h0.64 r180; PIN_NUMBER "2" at -265.636,51.906 h0.64 r180; ASSEMBLY_TOP "100nF" at -264.849,51.652 h0.64 r180
C40: PIN_NUMBER "1" at -255.411,54.225 h0.64; PIN_NUMBER "2" at -254.852,54.225 h0.64; ASSEMBLY_TOP "100nF" at -255.132,54.479 h0.64
C41: PIN_NUMBER "1" at -258.169,59.182 h0.64 r180; PIN_NUMBER "2" at -258.727,59.182 h0.64 r180; ASSEMBLY_TOP "100nF" at -257.94,58.928 h0.64 r180
C42: PIN_NUMBER "2" at -254.846,53.578 h0.64; PIN_NUMBER "1" at -255.405,53.578 h0.64; ASSEMBLY_TOP "100nF" at -255.126,53.832 h0.64
C43: PIN_NUMBER "2" at -255.997,50.251 h0.64 r270; PIN_NUMBER "1" at -255.997,50.81 h0.64 r270; ASSEMBLY_TOP "100nF" at -255.489,50.785 h0.64 r270
C44: PIN_NUMBER "1" at -326.72,8.89 h0.64 r180; PIN_NUMBER "2" at -328.244,8.89 h0.64 r180; ASSEMBLY_TOP "10uF" at -327.228,8.636 h0.64 r180
C45: PIN_NUMBER "1" at -257.259,47.927 h0.64 r315; PIN_NUMBER "2" at -256.864,47.532 h0.64 r315; ASSEMBLY_TOP "12pF" at -256.807,48.089 h0.64 r315
C46: PIN_NUMBER "1" at -322.185,15.02 h0.64 r180; PIN_NUMBER "2" at -323.11,15.02 h0.64 r180; ASSEMBLY_TOP "2.2uF" at -322.52,14.766 h0.64 r180
C47: PIN_NUMBER "1" at -322.211,14.08 h0.64 r180; PIN_NUMBER "2" at -323.136,14.08 h0.64 r180; ASSEMBLY_TOP "2.2uF" at -322.546,13.826 h0.64 r180
C48: PIN_NUMBER "1" at -322.212,13.14 h0.64 r180; PIN_NUMBER "2" at -323.137,13.14 h0.64 r180; ASSEMBLY_TOP "2.2uF" at -322.547,12.886 h0.64 r180
C49: PIN_NUMBER "2" at -316.229,11.625 h0.64 r180; PIN_NUMBER "1" at -315.304,11.625 h0.64 r180; ASSEMBLY_TOP "2.2uF" at -315.64,11.879 h0.64 r180
C50: PIN_NUMBER "1" at -310.785,17.916 h0.64 r180; PIN_NUMBER "2" at -312.563,17.916 h0.64 r180; ASSEMBLY_TOP "47uF" at -311.166,18.043 h0.64 r180
C51: PIN_NUMBER "2" at -272.759,37.892 h0.64; PIN_NUMBER "1" at -274.537,37.892 h0.64; ASSEMBLY_TOP "22uF" at -273.648,37.765 h0.64
C52: PIN_NUMBER "1" at -319.007,11.801 h0.64 r90; PIN_NUMBER "2" at -319.007,12.726 h0.64 r90; ASSEMBLY_TOP "2.2uF" at -318.499,12.39 h0.64 r90
C53: PIN_NUMBER "1" at -318.067,11.802 h0.64 r90; PIN_NUMBER "2" at -318.067,12.727 h0.64 r90; ASSEMBLY_TOP "2.2uF" at -317.559,12.391 h0.64 r90
C54: PIN_NUMBER "1" at -322.275,21.895 h0.64; PIN_NUMBER "2" at -320.497,21.895 h0.64; ASSEMBLY_TOP "47uF" at -321.386,21.768 h0.64
C55: PIN_NUMBER "1" at -305.371,22.716 h0.64; PIN_NUMBER "2" at -304.813,22.716 h0.64; ASSEMBLY_TOP "100nF" at -305.092,22.462 h0.64
C56: PIN_NUMBER "1" at -279.796,42.122 h0.64; PIN_NUMBER "2" at -279.237,42.122 h0.64; ASSEMBLY_TOP "100nF" at -279.517,42.376 h0.64
C57: PIN_NUMBER "1" at -269.728,37.098 h0.64 r270; PIN_NUMBER "2" at -269.728,35.32 h0.64 r270; ASSEMBLY_TOP "22uF" at -269.601,36.463 h0.64 r270
C58: PIN_NUMBER "1" at -318.457,55.402 h0.64 r270; PIN_NUMBER "2" at -318.457,54.844 h0.64 r270; ASSEMBLY_TOP "100nF" at -318.457,55.377 h0.64 r270
C59: PIN_NUMBER "1" at -326.974,44.374 h0.64 r270; PIN_NUMBER "2" at -326.974,43.815 h0.64 r270; ASSEMBLY_TOP "100nF" at -326.974,44.348 h0.64 r270
C60: PIN_NUMBER "1" at -312.395,21.565 h0.64 r270; PIN_NUMBER "2" at -312.395,19.787 h0.64 r270; ASSEMBLY_TOP "47uF" at -312.268,20.93 h0.64 r270
C61: PIN_NUMBER "2" at -284.604,28.308 h0.64 r180; PIN_NUMBER "1" at -284.045,28.308 h0.64 r180; ASSEMBLY_TOP "100nF" at -283.817,28.562 h0.64 r180
C62: PIN_NUMBER "1" at -315.604,14.008 h0.64 r90; PIN_NUMBER "2" at -315.604,15.532 h0.64 r90; ASSEMBLY_TOP "10uF" at -315.096,14.77 h0.64 r90
C63: PIN_NUMBER "1" at -317.339,16.192 h0.64 r270; PIN_NUMBER "2" at -317.339,14.668 h0.64 r270; ASSEMBLY_TOP "10uF" at -317.339,15.43 h0.64 r270
C64: PIN_NUMBER "1" at -318.888,16.167 h0.64 r270; PIN_NUMBER "2" at -318.888,14.643 h0.64 r270; ASSEMBLY_TOP "10uF" at -318.888,15.405 h0.64 r270
C65: PIN_NUMBER "1" at -318.081,67.014 h0.64 r180; PIN_NUMBER "2" at -318.639,67.014 h0.64 r180; ASSEMBLY_TOP "100nF" at -317.852,67.268 h0.64 r180
C66: PIN_NUMBER "1" at -317.364,66.596 h0.64 r270; PIN_NUMBER "2" at -317.364,66.037 h0.64 r270; ASSEMBLY_TOP "100nF" at -317.364,66.57 h0.64 r270
C67: PIN_NUMBER "1" at -320.328,65.435 h0.64 r90; PIN_NUMBER "2" at -320.328,65.994 h0.64 r90; ASSEMBLY_TOP "100nF" at -319.82,65.46 h0.64 r90
C68: PIN_NUMBER "1" at -319.419,65.381 h0.64; PIN_NUMBER "2" at -318.86,65.381 h0.64; ASSEMBLY_TOP "100nF" at -319.14,65.127 h0.64
C69: PIN_NUMBER "1" at -316.552,67.092 h0.64 r270; PIN_NUMBER "2" at -316.552,66.167 h0.64 r270; ASSEMBLY_TOP "4.7uF" at -316.552,66.502 h0.64 r270
C70: PIN_NUMBER "1" at -320.997,69.935 h0.64 r270; PIN_NUMBER "2" at -320.997,69.376 h0.64 r270; ASSEMBLY_TOP "100nF" at -320.997,69.909 h0.64 r270
C71: PIN_NUMBER "1" at -321.682,69.936 h0.64 r270; PIN_NUMBER "2" at -321.682,69.377 h0.64 r270; ASSEMBLY_TOP "100nF" at -321.682,69.91 h0.64 r270
C72: PIN_NUMBER "1" at -320.319,69.935 h0.64 r270; PIN_NUMBER "2" at -320.319,69.376 h0.64 r270; ASSEMBLY_TOP "100nF" at -320.319,69.909 h0.64 r270
C73: PIN_NUMBER "1" at -319.423,64.695 h0.64; PIN_NUMBER "2" at -318.864,64.695 h0.64; ASSEMBLY_TOP "100nF" at -319.144,64.441 h0.64
C74: PIN_NUMBER "1" at -321.036,68.742 h0.64 r180; PIN_NUMBER "2" at -321.594,68.742 h0.64 r180; ASSEMBLY_TOP "100nF" at -320.807,68.996 h0.64 r180
C75: PIN_NUMBER "1" at -322.495,69.81 h0.64 r270; PIN_NUMBER "2" at -322.495,68.885 h0.64 r270; ASSEMBLY_TOP "4.7uF" at -322.495,69.22 h0.64 r270
C76: PIN_NUMBER "2" at -321.128,64.111 h0.64; PIN_NUMBER "1" at -321.687,64.111 h0.64; ASSEMBLY_TOP "100nF" at -321.408,63.857 h0.64
C77: PIN_NUMBER "2" at -270.896,42.169 h0.64 r180; PIN_NUMBER "1" at -269.971,42.169 h0.64 r180; ASSEMBLY_TOP "4.7uF" at -270.307,42.423 h0.64 r180
C78: PIN_NUMBER "2" at -270.508,43.596 h0.64 r180; PIN_NUMBER "1" at -269.95,43.596 h0.64 r180; ASSEMBLY_TOP "100nF" at -269.721,43.85 h0.64 r180
C79: PIN_NUMBER "2" at -270.515,42.961 h0.64 r180; PIN_NUMBER "1" at -269.956,42.961 h0.64 r180; ASSEMBLY_TOP "100nF" at -269.727,43.215 h0.64 r180
C80: PIN_NUMBER "1" at -327.906,44.332 h0.64 r180; PIN_NUMBER "2" at -328.831,44.332 h0.64 r180; ASSEMBLY_TOP "2.2uF" at -328.241,44.586 h0.64 r180
C81: PIN_NUMBER "1" at -326.907,53.675 h0.64 r90; PIN_NUMBER "2" at -326.907,54.234 h0.64 r90; ASSEMBLY_TOP "100nF" at -326.399,53.701 h0.64 r90
C82: PIN_NUMBER "1" at -325.341,49.428 h0.64 r90; PIN_NUMBER "2" at -325.341,49.987 h0.64 r90; ASSEMBLY_TOP "10nF" at -324.833,49.454 h0.64 r90
C83: PIN_NUMBER "1" at -270.109,69.025 h0.64 r180; PIN_NUMBER "2" at -271.633,69.025 h0.64 r180; ASSEMBLY_TOP "10uF" at -270.617,69.278 h0.64 r180
C84: PIN_NUMBER "1" at -270.971,67.86 h0.64 r180; PIN_NUMBER "2" at -271.53,67.86 h0.64 r180; ASSEMBLY_TOP "100nF" at -270.742,68.114 h0.64 r180
C85: PIN_NUMBER "2" at -265.074,64.159 h0.64 r180; PIN_NUMBER "1" at -264.516,64.159 h0.64 r180; ASSEMBLY_TOP "100nF" at -264.287,63.905 h0.64 r180
C86: PIN_NUMBER "2" at -264.877,63.262 h0.64 r180; PIN_NUMBER "1" at -263.951,63.262 h0.64 r180; ASSEMBLY_TOP "2.2uF" at -264.287,63.008 h0.64 r180
C87: PIN_NUMBER "1" at -260.603,71.589 h0.64 r270; PIN_NUMBER "2" at -260.603,71.03 h0.64 r270; ASSEMBLY_TOP "100nF" at -260.603,71.563 h0.64 r270
C88: PIN_NUMBER "2" at -295.434,70.856 h0.64 r270; PIN_NUMBER "1" at -295.434,71.415 h0.64 r270; ASSEMBLY_TOP "22pF" at -294.926,71.39 h0.64 r270
C89: PIN_NUMBER "2" at -290.412,71.264 h0.64 r90; PIN_NUMBER "1" at -290.412,70.705 h0.64 r90; ASSEMBLY_TOP "22pF" at -290.412,70.731 h0.64 r90
C90: PIN_NUMBER "1" at -289.611,59.68 h0.64 r90; PIN_NUMBER "2" at -289.611,60.239 h0.64 r90; ASSEMBLY_TOP "100nF" at -289.611,59.705 h0.64 r90
C91: PIN_NUMBER "2" at -296.672,66.436 h0.64 r180; PIN_NUMBER "1" at -295.747,66.436 h0.64 r180; ASSEMBLY_TOP "4.7uF" at -296.082,66.69 h0.64 r180
C92: PIN_NUMBER "2" at -296.24,65.56 h0.64 r180; PIN_NUMBER "1" at -295.681,65.56 h0.64 r180; ASSEMBLY_TOP "100nF" at -295.453,65.814 h0.64 r180
C93: PIN_NUMBER "2" at -294.814,60.767 h0.64 r180; PIN_NUMBER "1" at -294.256,60.767 h0.64 r180; ASSEMBLY_TOP "1uF" at -294.027,61.021 h0.64 r180
C94: PIN_NUMBER "2" at -293.043,60.772 h0.64; PIN_NUMBER "1" at -293.602,60.772 h0.64; ASSEMBLY_TOP "100nF" at -293.323,60.518 h0.64
C95: PIN_NUMBER "2" at -297.637,64.45 h0.64 r180; PIN_NUMBER "1" at -296.712,64.45 h0.64 r180; ASSEMBLY_TOP "4.7uF" at -297.048,64.704 h0.64 r180
C96: PIN_NUMBER "1" at -258.191,60.274 h0.64; PIN_NUMBER "2" at -256.667,60.274 h0.64; ASSEMBLY_TOP "22uF" at -257.175,60.528 h0.64
C99: PIN_NUMBER "1" at -318.457,47.559 h0.64 r90; PIN_NUMBER "2" at -318.457,48.118 h0.64 r90; ASSEMBLY_TOP "100nF" at -317.949,47.584 h0.64 r90
C100: PIN_NUMBER "1" at -326.907,49.661 h0.64 r90; PIN_NUMBER "2" at -326.907,50.22 h0.64 r90; ASSEMBLY_TOP "100nF" at -326.399,49.686 h0.64 r90
C101: PIN_NUMBER "1" at -328.027,43.252 h0.64 r180; PIN_NUMBER "2" at -328.586,43.252 h0.64 r180; ASSEMBLY_TOP "100nF" at -327.799,43.506 h0.64 r180
C102: PIN_NUMBER "1" at -326.907,55.403 h0.64 r270; PIN_NUMBER "2" at -326.907,54.845 h0.64 r270; ASSEMBLY_TOP "100nF" at -326.907,55.378 h0.64 r270
C103: PIN_NUMBER "1" at -313.733,13.271 h0.64; PIN_NUMBER "2" at -312.808,13.271 h0.64; ASSEMBLY_TOP "2.2uF" at -312.889,13.018 h0.64
C104: PIN_NUMBER "1" at -291.498,23.588 h0.64 r180; PIN_NUMBER "2" at -292.423,23.588 h0.64 r180; ASSEMBLY_TOP "10uF" at -291.834,23.842 h0.64 r180
C105: PIN_NUMBER "2" at -322.848,2.083 h0.58 r270; PIN_NUMBER "1" at -322.848,4.902 h0.58 r270; ASSEMBLY_TOP "1nF" at -321.979,3.873 h0.64 r270
C107: PIN_NUMBER "2" at -295.869,64.11 h0.64 r270; PIN_NUMBER "1" at -295.869,64.668 h0.64 r270; ASSEMBLY_TOP "100nF" at -295.869,64.643 h0.64 r270
C108: PIN_NUMBER "2" at -287.278,66.677 h0.64; PIN_NUMBER "1" at -287.837,66.677 h0.64; ASSEMBLY_TOP "1uF" at -287.557,66.931 h0.64
C109: PIN_NUMBER "1" at -327.471,42.097 h0.64 r180; PIN_NUMBER "2" at -328.995,42.097 h0.64 r180; ASSEMBLY_TOP "22uF" at -327.979,42.351 h0.64 r180
C110: PIN_NUMBER "2" at -304.005,13.149 h0.58; PIN_NUMBER "1" at -306.824,13.149 h0.58; ASSEMBLY_TOP "100uF" at -305.562,12.514 h0.64
C111: PIN_NUMBER "1" at -306.718,18.525 h0.64 r180; PIN_NUMBER "2" at -308.242,18.525 h0.64 r180; ASSEMBLY_TOP "10uF" at -307.226,18.271 h0.64 r180
C112: PIN_NUMBER "1" at -320.997,13.699 h0.64; PIN_NUMBER "2" at -320.072,13.699 h0.64; ASSEMBLY_TOP "2.2uF" at -320.154,13.445 h0.64
C113: PIN_NUMBER "1" at -313.732,12.328 h0.64; PIN_NUMBER "2" at -312.807,12.328 h0.64; ASSEMBLY_TOP "2.2uF" at -312.888,12.074 h0.64
C114: PIN_NUMBER "1" at -321.433,55.431 h0.64 r90; PIN_NUMBER "2" at -321.433,55.99 h0.64 r90; ASSEMBLY_TOP "100nF" at -320.925,55.456 h0.64 r90
C115: PIN_NUMBER "1" at -326.923,51.41 h0.64 r270; PIN_NUMBER "2" at -326.923,50.851 h0.64 r270; ASSEMBLY_TOP "100nF" at -326.923,51.384 h0.64 r270
C116: PIN_NUMBER "1" at -318.457,51.219 h0.64 r270; PIN_NUMBER "2" at -318.457,50.66 h0.64 r270; ASSEMBLY_TOP "100nF" at -318.457,51.194 h0.64 r270
C117: PIN_NUMBER "1" at -319.574,44.133 h0.64 r270; PIN_NUMBER "2" at -319.574,43.574 h0.64 r270; ASSEMBLY_TOP "100nF" at -319.574,44.107 h0.64 r270